# Altium PCB DRS4-PCB.PcbDoc (part 5 of 15)
Units mil, origin at the board's own origin, x right, y up, seen from the top; angles counter-clockwise.
Board outline 12350 x 7411.06 mil, 12 copper layers (Top Layer, Ground Layer 2, Signal Layer 3, Signal Layer 4, Ground Layer 5, Power Layer 6, Ground Layer 7, Ground Layer 8, Power Layer 9, Power Layer 10, Ground Layer 11, Bottom Layer), stack 61.6 mil thick; 1264 components, 1069 nets, 3958 pads, 2329 vias.
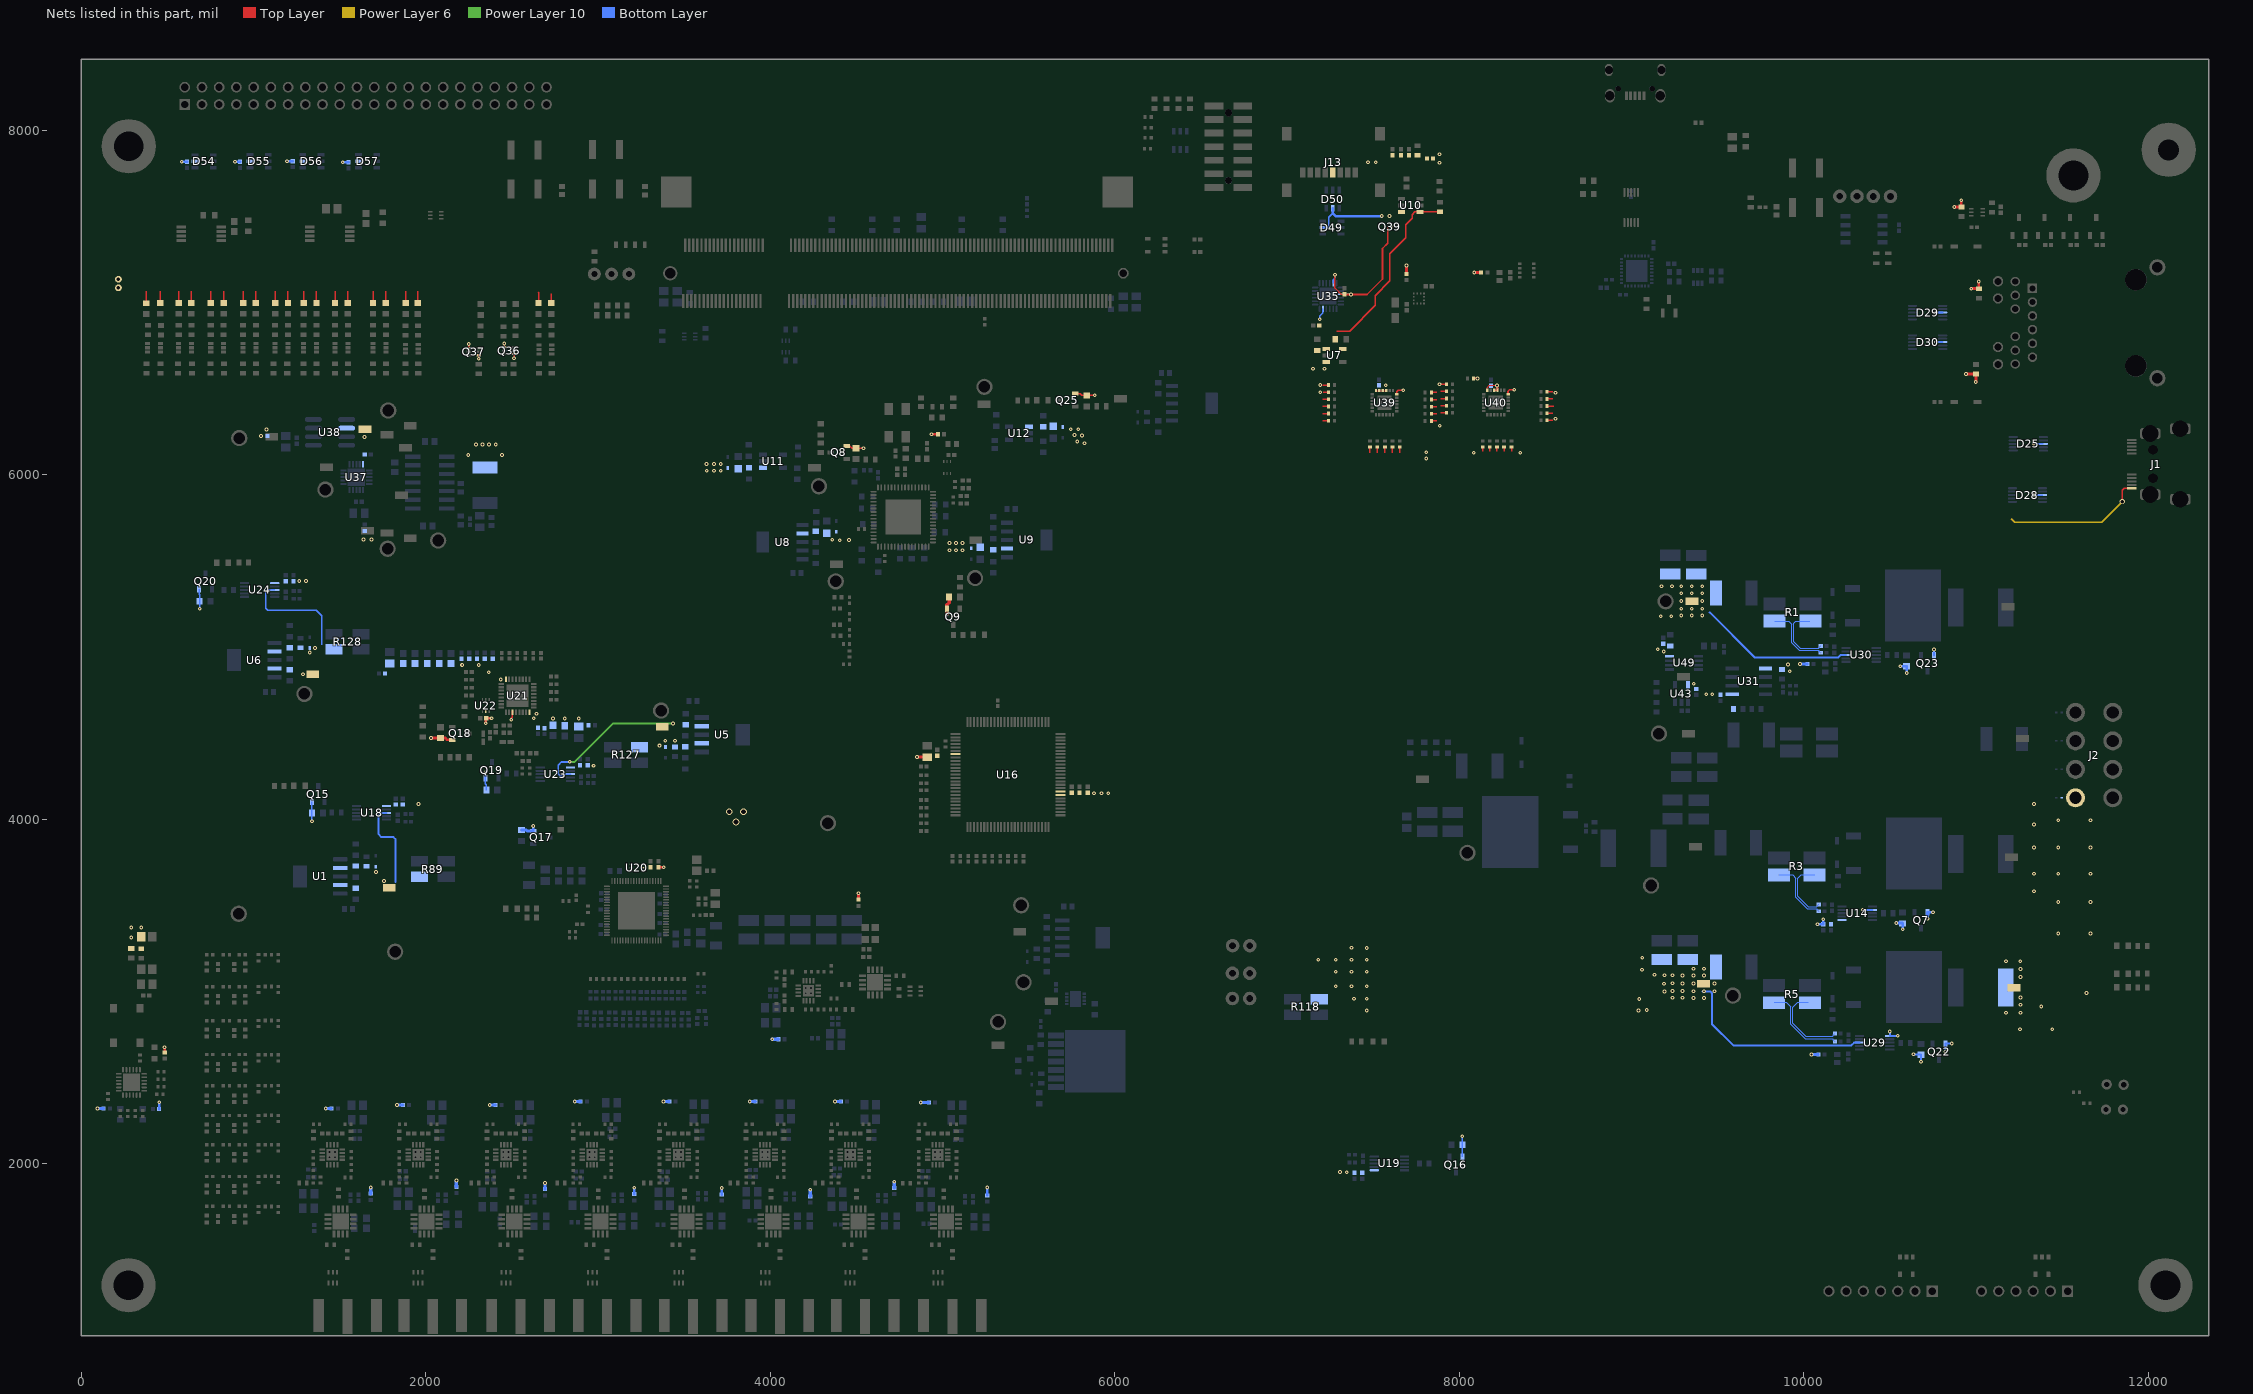
[diagram p15: the nets of this part, all layers, seen from the top]

## Footprints (in the part's own frame and the unit in brackets; to place one, negate y for a bottom-side part, rotate by r counter-clockwise, add the part's x,y. Pads: shape width x height; smd on the part's side, far side on the other; paste and mask are expansions set on the pad) (continued)
TAYO-FBMH4532-2_V [mm] "SMD, 2-Leads, Body 4.9x3.5mm, Height 3.5mm"
  rect 1.75x3.7 smd: 1(-2.625,0) 2(2.625,0)
  silkscreen extent -4.18,-1.75 1.35,1.75, body extent -2.45,-1.75 2.45,1.75, height 3.5
TCXO_Murata_XTCLH50M000CHJA3P0_50MHz [mm] "TCXO Oscillators 50MHz 5x3.2x1.5mm 0.28ppm max Crystal"
  rect 1.75x1.25 smd: 1(-2,-1.23) 4(2.1,-1.23) 5(2.1,1.23) 8(-2,1.23)
  silkscreen extent -3.03,-2.52 -2.82,-2.31, body extent -2.75,-1.9 2.85,1.9, height 0.45
TDK_MHQ1005PR51GT000_0 [mm]
  rect 0.5x0.5 smd paste+0 mask+0: 1(-0.45,0) 2(0.45,0)
  silkscreen extent 0,-0.4 0,0.4, body extent -0.5,-0.25 0.5,0.25, height 0.48
TDK_MLF1005GR47JT000_0 [mm]
  rect 0.5x0.5 smd paste+0 mask+0: 1(-0.45,0) 2(0.45,0)
  silkscreen extent 0,-0.4 0,0.4, body extent -0.5,-0.25 0.5,0.25, height 0.48
TDK_MLZ1608M100WT_0 [mm]
  rect 0.6x0.8 smd paste+0 mask+0: 1(-0.7,0) 2(0.7,0)
  silkscreen extent 0,-0.4 0,0.4, body extent -0.8,-0.4 0.8,0.4, height 0.6
Texas_Instruments_3-PICOSTAR_0 [mm]
  rect 0.15x0.25 smd paste+0 mask+0: 1(-0.175,-0.325) 2(0.175,-0.325)
  rect 0.5x0.25 smd paste+0 mask+0: 3(0,0.325)
  silkscreen extent -0.63,-1.12 0.63,0.5, body extent -0.42,-0.62 0.42,0.62, height 0.25
Texas_Instruments_LM321LVIDBVR_MFG [mm]
  rrect17% 1.1x0.6 smd paste+0 mask+0: 1(-1.3,0.95) 2(-1.3,0) 3(-1.3,-0.95) 4(1.3,-0.95) 5(1.3,0.95)
  silkscreen extent -1.41,-1.53 0.87,1.91, body extent -1.4,-1.45 1.4,1.45, height 1.45
TI-DBV5_N [mm] "SOT23, 5-Leads, Body 2.9x1.6mm, Pitch 0.95mm, IPC Medium Density"
  rect 1.1x0.6 smd: 1(-1.2,0.95) 2(-1.2,0) 3(-1.2,-0.95) 4(1.2,-0.95) 5(1.2,0.95)
  silkscreen extent -1.32,-1.55 0.25,1.92, body extent -0.87,-1.52 0.87,1.53, height 1.45
TI-DCQ6_N [mm] "SOT223, 6-Leads, Body 6.5x3.5mm, Pitch 1.27mm, IPC Medium Density"
  rect 2.15x0.7 smd: 1(-3.025,2.54) 2(-3.025,1.27) 3(-3.025,0) 4(-3.025,-1.27) 5(-3.025,-2.54)
  rect 2.15x3.2 smd: 6(3.025,0)
  silkscreen extent -3.15,-3.3 1.65,3.56, body extent -1.78,-3.27 1.78,3.27, height 1.8
TMP112AIDRLR [mm] "Board Mount Temperature Sensors Hi-Prec Lo-Pwr Dig Temp Sensor"
  rrect50% 0.45x0.2 smd: 1(-0.875,0.5) 2(-0.875,0) 3(-0.875,-0.5) 4(0.875,-0.5) 5(0.875,0) 6(0.875,0.5)
  silkscreen extent -1.51,-0.85 0.25,1.43, body extent -0.65,-0.85 0.65,0.85, height 0.6
TP_Harwin_S2761_46R#1 [mm]
  rect 1.9x1.1 smd far side paste+0.1: 1(0,0)
TP_Harwin_S2761_46R#2 [mm]
  rect 1.9x1.1 smd paste+0.1: 1(0,0)
TP_Harwin_S2761_46R#3 [mm]
  rect 1.9x1.1 smd far side paste+0.1: 1(0,-0.504)
TP_Harwin_S2761_46R#4 [mm]
  rect 1.9x1.1 smd far side paste+0.1: 1(2.75,0)
TP_Harwin_S2761_46R#5 [mm]
  rect 1.9x1.1 smd far side paste+0.1: 1(0.477,0)
TP_Harwin_S2761_46R#6 [mm]
  rect 1.9x1.1 smd far side paste+0.1: 1(0,-0.555)
TP_Harwin_S2761_46R#7 [mm]
  rect 1.9x1.1 smd far side paste+0.1: 1(-0.44,0)
TP_Harwin_S2761_46R#8 [mm]
  rect 1.9x1.1 smd far side paste+0.1: 1(0,1.028)
TP_Harwin_S2761_46R#9 [mm]
  rect 1.9x1.1 smd paste+0.1: 1(0.26,0)
TP_Harwin_S2761_46R#10 [mm]
  rect 1.9x1.1 smd paste+0.1: 1(-3.101,3.265)
TP_Harwin_S2761_46R#11 [mm]
  rect 1.9x1.1 smd far side paste+0.1: 1(0,10.612)
TP_Harwin_S2761_46R#12 [mm]
  rect 1.9x1.1 smd far side paste+0.1: 1(-17.502,-14.578)
TP_Harwin_S2761_46R#13 [mm]
  rect 1.9x1.1 smd far side paste+0.1: 1(0,-0.116)
TP_Harwin_S2761_46R#14 [mm]
  rect 1.9x1.1 smd far side paste+0.1: 1(2.663,3.384)
TP_Harwin_S2761_46R#15 [mm]
  rect 1.9x1.1 smd far side paste+0.1: 1(0.032,0.901)
TP_Harwin_S2761_46R#16 [mm]
  rect 1.9x1.1 smd paste+0.1: 1(-11.512,-15.107)
TP_Keystone_Electronics_5006 [mm]
  round 2.4 hole 1.7: 1(0,0)
  body extent -1.59,-1.59 1.59,1.58, height 5.52
TP_TE_Connectivity_5-146280-1_1POS#1 [mil]
  round 60 hole 30: 1(-4.11,10.59)
TP_TE_Connectivity_5-146280-1_1POS#2 [mil]
  round 60 hole 30: 1(1.1,0)
TP_TE_Connectivity_5-146280-1_1POS#3 [mil]
  round 60 hole 30: 1(-3.5,0)
TP_TE_Connectivity_5-146280-1_1POS#4 [mil]
  round 60 hole 30: 1(0,-0.39)
TRANS_EM6_ROM [mil]
  rect 26x9 smd paste+0 mask+0: 1(-32.5,19.68) 2(-32.5,0) 3(-32.5,-19.68) 4(32.5,-19.68) 5(32.5,0) 6(32.5,19.68)
  silkscreen extent -63,-37 15,38, body extent -34,-31 34,31, height 22
VISH-TR8-M_L [mm] "Molded Capacitor, 2-Leads, Body 1.8x1.05mm, IPC High Density"
  rect 0.95x0.55 smd: 1(-0.575,0) 2(0.575,0)
  silkscreen extent -1.32,-0.28 -1.32,0.33, body extent -1.12,-0.53 1.12,0.53, height 0.9
Wurth_Electronics_629105150521_MFG [mm]
  rect 0.45x1.3 smd paste+0 mask+0: 1(-1.3,2.9) 2(-0.65,2.9) 3(0,2.9) 4(0.65,2.9) 5(1.3,2.9)
  rrect100% 1.45x2 hole 1.4 slot 0.85 at 0 deg paste-1000 mask+0: 6(-3.725,2.9) 7(3.725,2.9)
  rrect100% 1.15x1.8 hole 1.2 slot 0.55 at 0 deg paste-1000 mask+0: 8(-3.875,-0.9) 9(3.875,-0.9)
  round 0.8 hole 0.8 unplated paste-1000 mask+0: ""(-2.5,1.85) ""(2.5,1.85)
  silkscreen extent -4.1,0.38 4.1,4.27, body extent -4.55,-3.5 4.55,4, height 0.25
XTAL_ASDM1-25.000MHZ-LC-T [mm]
  rect 1.2x1 smd: 1(-2.54,-1.95) 2(2.54,-1.95) 3(2.54,1.95) 4(-2.54,1.95)
  silkscreen extent -3.7,-3.09 3.7,3, body extent -3.3,-2.6 3.3,2.6, height 2

## Part data
C1 C2 C3 C4 C5 C6 C29 C30 C52 C53 C145 C146 C147 C148 C149: "Tantalum Capacitors - Polymer SMD 25V 22uF 1311 20% ESR=100mOhms", Capacitance="22uF 25V 1411", Supplier Part Number 1=80-T521B226M25ATE100, Supplier 1=Mouser
C7 C9 C10 C11 C12 C14 C15 C16 C17 C18 C19 C21 C23 C24 C25 C27 C28 C31 C32 C33 C35 C36 C38 C42 C43 C44 C45 C47 C49 C50 C51 C54 C56 C65 C76 C244: "CAP CER 4.7uF 35V X5R 0603", Capacitance="4.7uF X5R 35V 0603", Supplier Part Number 1=81-ZRB18AR6YA475ME5L, Supplier 1=Mouser
C8 C13 C22 C26 C34 C37 C39 C46 C48 C57 C61 C62 C94 C95 C242 C251 C253 C258 C262 C327: "CAP CER 10nF 50V X7R 0603", Capacitance="10nF X7R 50V 0603", Digikey Part Number=399-1092-1-ND, Manufacturer=Kemet, Mfg Package Ident=C0603, Mouser Part Number=80-C0603C103J5R, Part Number=C0603C103J5RACTU, Temperature="-55°C to +125°C", Temperature Range High=+125°C, Temperature Range Low=-55°C, Voltage=50V, ComponentLink1Description=Upverter, ComponentLink1URL=https://upverter.com/upn/revision/8a8d0c297e33ac74/, ComponentLink2Description=Datasheet, ComponentLink2URL=https://content.kemet.com/datasheets/KEM_C1002_X7R_SMD.pdf, Digikey Description="CAP CER 10000PF 50V X7R 0603", helpURL=https://upverter.com/upn/revision/8a8d0c297e33ac74/, Lead Free=yes, Package=C0603, Price=0.0184203126773, RoHS=TRUE, Supplier 1=Digi-Key, Supplier 2=Mouser, Supplier Part Number 1=399-1092-1-ND, Supplier Part Number 2=80-C0603C103J5R
C20 C40 C41 C55 C58 C59 C60 C86 C87 C88 C89 C90 C91 C93 C102 C109 C110 C111 C112 C113 C115 C116 C117 C118 C119 C121 C122 C126 C128 C129 C131 C132 C133 C134 C139 C140 C141 C142 C143 C151 C152 C153 C154 C155 C162 C163 C165 C166 C168 C170 C171 C172 C173 C174 C175 C177 C179 C185 C186 C187 C188 C189 C192A C192B C192C C192D C192E C192F C192G C192H C194A C194B C194C C194D C194E C194F C194G C194H C196A C196B C196C C196D C196E C196F C196G C196H C197A C197B C197C C197D C197E C197F C197G C197H C198A C198B C198C C198D C198E C198F C198G C198H C199A C199B C199C C199D C199E C199F C199G C199H C202A C202B C202C C202D C202E C202F C202G C202H C205A C205B C205C C205D C205E C205F C205G C205H C212A C212B C212C C212D C212E C212F C212G C212H C213 C215 C217 C218 C219 C220 C223 C226 C233 C238 C239 C240 C241 C245 C247 C248 C249 C250 C252 C254 C255 C256 C257 C259 C261 C264 C265 C266 C268 C269 C270 C276 C315 C316 C317 C318 C322 C324 C325 C328 C329 C330: "CAP CER 100nF 25V X7R 0402", Capacitance="100nF 25V X7R 0402", Supplier Part Number 1=963-TMK105B7104KV-FR, Supplier 1=Mouser
C63 C64 C66 C70 C74 C75 C77 C81 C114 C127 C144 C150 C176 C184 C200A C200B C200C C200D C200E C200F C200G C200H C201A C201B C201C C201D C201E C201F C201G C201H C203A C203B C203C C203D C203E C203F C203G C203H C204A C204B C204C C204D C204E C204F C204G C204H C221 C222 C224 C225 C243 C275 C321 C323 C326 C342: "CAP CER 10uF 25V X7R 0805", Capacitance="10uF X7S 25V 0805", Supplier Part Number 1=81-GRM21BC71E106ME1L, Supplier 1=Mouser
C67 C68 C69 C71 C72 C73 C78 C79 C80 C82 C83 C84 C96 C97 C98 C99 C100 C101 C103 C104 C105 C106 C107 C108 C124 C267 C272 C273 C274 C319 C333 C334 C338: "CAP CER 1uF 25V X7R 0603", Capacitance="1uF X7R 25V 0603", Supplier Part Number 1=81-GCJ188R71E105KA1J, Supplier 1=Mouser
C85 C130 C159 C160 C161: "Multilayer Ceramic Capacitors MLCC - SMD/SMT 0402 20pF 50Volts C0G 2%", Capacitance="20pF 50V 0402", Supplier Part Number 1=81-GJM1555C1H200GB01, Supplier 1=Mouser
C92: "MLCC - SMD/SMT 0402 50VDC 12pF 1% AEC-Q200", Capacitance="12pF C0G 50V 0402", Manufacturer 1=Murata, Manufacturer Part Number 1=GCQ1555C1H120FB01D, Supplier Part Number 1=81-GCQ1555C1H120FB1D, Supplier 1=Mouser
C120: library part CMP-03020-007524-1, "CAP CER 5600PF 50V X7R 0402 / C0402C562K5RACTU", Capacitance="5,600 pF", Manufacturer=Kemet, Manufacturer Part Number=C0402C562K5RACTU, Package=C0402-BB, Temperature="-55°C to +125°C", Temperature Characteristic=X7R, Temperature Coefficient=15%, Temperature Range High=+125°C, Temperature Range Low=-55°C, Tolerance=0.1, Voltage Rating="50 V", Automotive=No, Category=Cap, ComponentLink2Description=Datasheet, ComponentLink2URL=https://content.kemet.com/datasheets/KEM_C1002_X7R_SMD.pdf, Device Class L1="Passive Components", Device Class L2=Capacitors, Device Class L3="Ceramic Capacitors", Digikey Description="CAP CER 5600PF 50V X7R 0402", Height=0.55mm, Ipc Land Pattern Name=CAPC10050X50, Lead Free=Yes, Material=Ceramic, Mouser Description="Multilayer Ceramic Capacitors MLCC - SMD/SMT 50volts 5600pF X7R 10%", Octopart=https://octopart.com/c0402c562k5ractu-kemet-98458, RoHS=TRUE
C123 C277 C278: "CAP CER 22uF 25V X5R 0805", Capacitance="22uF X5R 25V 0805", Supplier Part Number 1=81-GRT21BR61E226ME3L, Supplier 1=Mouser
C125 C271: library part CMP-1035-02189-1, "CAP 4.7nF 10V ±10% 0603 (1608 Metric) Thickness 1mm SMD", Case-EIA=0603, Case-Metric=1608, Rated Voltage="10 V", Tolerance=Â±10%, Max Thickness="1 mm", Technology=SMT
C135 C156: "CAP CER 100uF 25V X5R 1206", Capacitance="100uF X5R 10V 1206", Supplier Part Number 1=81-GRM31CR61A107ME5L, Supplier 1=Mouser
C136 C137 C138 C157 C158: "CAP CER 100pF 50V X7R 0603", Capacitance="100pF X7R 50V 0603", Supplier Part Number 1=80-C0603C101J5R, Supplier 1=Mouser
C164 C167: library part CMP-2000-07316-1, "Tantalum Capacitor, 10 uF, +/- 20%, 10 V, -55 to 125 degC, 2-Pin SMD (M), RoHS, Tape and Reel", Capacitance=10µF, ESR (Equivalent Series Resistance)=2Ohm, Lifetime @ Temp.=-, Manufacturer=Vishay, Manufacturer Part Number=TR8M106M010C2000, Manufacturer Size Code=M, Operating Temperature=-55°C~125°C, Package / Case=0603(1608Metric), Package Description="2-Pin Surface Mount Device, Body 1.6 x 0.85 mm", Package Reference=TR8-M, Standard Package=1, Tolerance=±20%, Voltage - Rated=10V, Catalog Drawings=TR8SeriesTR8SeriesBottom, Category=Capacitors, Datasheet URL=http://www.vishay.com/docs/40114/tr8.pdf, Datasheet Version=03/2016, Family=TantalumCapacitors, Featured Product=TR8SeriesMoldedMicroTan™TantalumChipCapacitors, Features=GeneralPurpose, Height - Seated (Max)="0.035\"(0.89mm)", Lead Spacing=-, Manufacturer URL=http://www.vishay.com/, Mounting Technology=SurfaceMount, Mounting Type=SurfaceMount, Online Catalog=MICROTAN®TR8Series, Other Names=718-1673-6, Packaging=Digi-Reel®, Series=MICROTAN®TR8, Size / Dimension="0.063\"Lx0.033\"W(1.60mmx0.85mm)", Type=Molded
C178 C180 C181 C182 C183 C190 C191: "CAP CER 1nF 50V X7R 0603", Capacitance="1nF X7R 50V 0603", Supplier Part Number 1=80-C0603C102J5RAUTO, Supplier 1=Mouser
C193A C193B C193C C193D C193E C193F C193G C193H C195A C195B C195C C195D C195E C195F C195G C195H C214 C216: "CAP CER 470nF 25V X7R 0603", Capacitance="470nF X7R 25V 0603", Supplier Part Number 1=710-885012206075, Supplier 1=Mouser
C206A C206B C206C C206D C206E C206F C206G C206H C207A C207B C207C C207D C207E C207F C207G C207H C208A C208B C208C C208D C208E C208F C208G C208H C209A C209B C209C C209D C209E C209F C209G C209H C210A C210B C210C C210D C210E C210F C210G C210H C211A C211B C211C C211D C211E C211F C211G C211H C227 C228 C229 C230 C231 C232: "CAP CER 220nF 50V X7R 0402", Capacitance="220nF X7R 25V 0402", Supplier Part Number 1=810-C1005X7R1E224KBE, Supplier 1=Mouser
C234 C235 C279 C282 C283 C286 C287 C290 C291 C294 C295 C298 C299 C302 C303 C306 C307 C310 C311 C314: "CAP 150pF 50V C0G ±1% 0402 (1000 Metric) Thickness 1mm SMD", Capacitance="150pF 50V C0G 0402", Supplier Part Number 1=810-CGA2B2C0G2A151J0, Supplier 1=Mouser
C236 C237 C280 C281 C284 C285 C288 C289 C292 C293 C296 C297 C300 C301 C304 C305 C308 C309 C312 C313: "CAP 270pF 50V C0G ±1% 0402", Capacitance="270pF 50V C0G 0402", Supplier Part Number 1=81-GCM1555C1H271FA6D, Supplier 1=Mouser
C246: library part CMP-1035-02763-1, "CAP 2.2uF 16V ±10% 0603 (1608 Metric) Thickness 1mm SMD", Capacitance="2.2uF 16V X5R 0603", Case-EIA=0603, Case-Metric=1608, Rated Voltage="16 V", Tolerance=Â±10%, Max Thickness="1 mm", Technology=SMT
C260: library part CMP-2000-07186-1, "Tantalun Capacitor, 1 uF, +/- 10%, 16 V, -55 to 125 degC, 2-Pin SMD, RoHS, Tape and Reel", Capacitance=1.0µF, ESR (Equivalent Series Resistance)=10Ohm, Lifetime @ Temp.=2000Hrs@85°C, Manufacturer=Kemet, Manufacturer Size Code=A, Operating Temperature=-55°C~125°C, Package / Case=1206(3216Metric), Package Description="2-Pin Surface Mounted Device, Body 3.2 x 1.6 mm", Package Reference=1206, Standard Package=1, Tolerance=±10%, Voltage - Rated=16V, Catalog Drawings=T49x,T5xxSeries_A-side1T49x,T5xxSeries_A,B-side2T49x,T5xxSeries_A,SBottom, Category=Capacitors, Datasheet URL=http://capacitoredge.kemet.com/capedge2/DataSheet/Datasheet-T491A105K016AT.pdf?pn=T491A105K016AT, Datasheet Version=06/2016, EDA / CAD Models=DownloadfromAcceleratedDesigns, Family=TantalumCapacitors, Features=GeneralPurpose, Height - Seated (Max)="0.071\"(1.80mm)", Lead Spacing=-, Manufacturer URL=http://www.kemet.com/, Mounting Technology=SurfaceMount, Mounting Type=SurfaceMount, Online Catalog=T491Series, Other Names=399-3678-6, Packaging=Digi-Reel®, Product Training Modules=CapacitorBasics-TypicalUsesforCapacitorsDeratingGuidelinesforSurfaceMountTantalumCapacitors, Series=T491, Size / Dimension="0.126\"Lx0.063\"W(3.20mmx1.60mm)", Type=Molded
C339 C341: "CAP CER 100nF 50V X7R 0603", Capacitance="100nF X7R 50V 0603", Supplier Part Number 1=80-C0603C104M5RAUTO, Supplier 1=Mouser
D1 D2 D3 D4: "Transient Voltage Suppressor, Micro-Packaged Diode for ESD Protection, 2-Pin SOD-923, Pb-Free, Tape and Reel", Manufacturer="On Semiconductor", Supplier Part Number 1=863-ESD9B5.0ST5G, ComponentLink1Description="Manufacturer URL", ComponentLink1URL=http://www.onsemi.com/, ComponentLink2Description=Datasheet, ComponentLink2URL=http://www.onsemi.cn/pub_link/Collateral/ESD9B-D.PDF, ComponentLink3Description="Package Specification", ComponentLink3URL=http://www.onsemi.com/pub_link/Collateral/514AB.PDF, DatasheetVersion="Rev. 2", Direction=Bidirectional, IR Max (uA)=1, Mounting Technology="Surface Mount", Number of Lines=1, PackageDescription="2-Pin SOD, Body 0.8 x 0.6 mm", PackageReference=SOD-923-2-514AB-01, PackageVersion="Rev. C, 03/2011", Packing="Tape and Reel", PartNumber=ESD9B5.0ST5G, RoHS=Pb-Free, Supplier 1=Mouser, V(BR) Min (V)=5.8, VRWM Max (V)=5
D5 D6 D7 D19 D31 D32: "Zener Diodes 500mW 4.3V Zener AEC-Q101 Qualified", Supplier Part Number 1=621-BZT52C4V3-F, Built_By=EMA_UL_Team, C="Copyright (C) 2015 Accelerated Designs. All rights reserved", Manufacturer_Part_Number=BZT52C4V3-7-F, RefDes=RefDes, Series=BZT52C4V3-7-F, Supplier 1=Mouser, Type=DEV, Vendor="Diodes Inc"
D8 D9 D10 D11 D12 D14 D15 D17 D18 D21: "Diodes - General Purpose, Power, Switching SINGLE JUNC. 75V 4.0NS COMP", Supplier Part Number 1=512-1N4148WT, Series=1N4148, Supplier 1=Mouser
D20 D22: "Standard LEDs - SMD Green 470nm 28mcd 20mA", Supplier Part Number 1=859-LTSTC193KGKT5A, Series=LTST-C193KGKT-5A, Supplier 1=Mouser
D23 D26 D27 D33 D34 D35 D36 D37 D38 D45 D46 D48: library part Led_Lite-On_LTST-C193KGKT-5A_Red, "Standard LEDs - SMD Red 470nm 28mcd 20mA", Supplier Part Number 1=859-LTSTC193KRKT5A, Series=LTST-C193KRKT-5A, Supplier 1=Mouser
D24 D49 D50 D54 D55 D56 D57: "ESD Suppressors / TVS Diodes 5.5V QUAD R-R ESD ULTRA LOW CAP", Supplier Part Number 1=771-PRTR5V0U4D-T/R, Supplier 1=Mouser
D25 D28 D29 D30 D41: "ESD Suppressors / TVS Diodes 4 Ch 8kV 0.65pF SPA", Supplier Part Number 1=576-SP3003-04ATG, Series=SP3003-04ATG, Supplier 1=Mouser
D39A D39B D39C D39D D39E D39F D39G D39H D40: library part CMP-1176-00030-1, "Silicon Switching Diode, SOT363, Reel, Green", Manufacturer=Infineon, ComponentLink1Description="Manufacturer URL", ComponentLink1URL=http://www.infineon.com/, ComponentLink2Description=Datasheet, ComponentLink2URL=http://www.infineon.com/dgdl/bav99series.pdf?folderId=db3a30431400ef6801141b5844e103ea&fileId=db3a30431400ef6801141c1b237d042f, ComponentLink3Description="Package Specification", ComponentLink3URL=http://www.infineon.com/dgdl/SOT363-Package_Overview.pdf?folderId=db3a30431936bc4b01195360bd8f3cdc&fileId=db3a30431936bc4b0119536b62bf3cf5, Configuration=Quadruple, Green=TRUE, Halogen-free=TRUE, IF (max)="200Â mA", IR (max)="150Â nA", Mounting Technology="Surface Mount", PackageDescription="6-Pin Small Outline Transistor Package, 1.25 x 2 mm Body", PackageReference=SOT363, PartNumber=BAV99S, trr (max)="4Â ns", VBR (min)="85Â V", VF (max)="1.25Â V", VR (max)="80Â V"
D42: "ESD Suppressors / TVS Diodes SO-8 5V 500W Low Capacitance", Supplier Part Number 1=652-CDNBS08-SRDA05-4, Supplier 1=Mouser
D43 D44 D59 D60 D61 D62 D63 D64 D65 D66 D67 D68 D69 D70 D71 D72 D73 D74 D75 D76 D77 D78 D79 D80 D81: "Standard LEDs - SMD Blue 470nm 28mcd 20mA", Supplier Part Number 1=859-LTSTC193TBKT5A, Series=LTST-C193TBKT-5A, Supplier 1=Mouser
F1 F2 F3 F5: library part 0ZCF0300BF2C, "Resettable Fuses - PPTC 3A 24V PPTC 2920 SMD", Supplier Part Number 1=530-0ZCF0300BF2C, Supplier 1=Mouser, Supplier 2=Digi-Key, Supplier Part Number 2=507-2072-6-ND
  F1 F3 F5: Series=0ZCF0300BF2C
F4: library part 0ZCG0200AF2B, "2A hold, 3.5A trip", Supplier Part Number 1=530-0ZCG0200AF2B, Series=0ZCG0200AF2B, Supplier 1=Mouser, Supplier 2=Digi-Key, Supplier Part Number 2=507-2074-6-ND
FB1 FB2 FB3 FB4 FB5 FB29: "Chip Bead Inductor for Power Lines, 680 Ohm, 4 A, -40 to 125 degC, 2-Pin 4.5 x 3.2 x 3.5 mm SMD, RoHS, Taping", DC Resistance="0.028 Ohm Max.", Impedance Tolerance="+/- 25%", Manufacturer="Taiyo Yuden", Measuring Frequency="100 MHz", Rated Current="4 A Max.", Supplier Part Number 1=587-1761-6-ND, Temperature Range="-40 to 125 degC", ComponentLink1Description="Manufacturer URL", ComponentLink1URL=http://www.t-yuden.com/, ComponentLink2Description=Datasheet, ComponentLink2URL=http://www.yuden.co.jp/productdata/catalog/en/chipbeads01_e.pdf, ComponentLink3Description="Package Specification", ComponentLink3URL=http://www.yuden.co.jp/productdata/catalog/en/chipbeads01_e.pdf, DatasheetVersion=09/2014, Mounting Technology="Surface Mount", Nominal Impedance="680 Ohm", PackageDescription="2-Pin Surface Mount Device, Body 4.5 x 3.2 mm, Height 3.5 mm", Packing=Taping, PartNumber=FBMH4532HM681-T, RoHS=TRUE, Supplier 1=Digi-Key
FB6 FB7: library part Feb_MURATA_BLM15AX300SZ1D_30, "Feb SMD 30 OHM 25% 3/4W 0402", Supplier Part Number 1=81-BLM15AX300SZ1D, Supplier 1=Mouser
FB8 FB9 FB10A FB10B FB10C FB10D FB10E FB10F FB10G FB10H FB11A FB11B FB11C FB11D FB11E FB11F FB11G FB11H FB12A FB12B FB12C FB12D FB12E FB12F FB12G FB12H FB13 FB14 FB15 FB17 FB18 FB20 FB21 FB22 FB24 FB25 FB26 FB27 FB28: library part FB_Wurth_Electronics_742792731_100Ohms, "FB SMD 100 OHM 25% 1.2A 0402", DC Resistance=90mOhm, Measuring Frequency=100MHz, Supplier Part Number 1=710-742792731, Impedance="100 Ohm", Supplier 1=Mouser
FB16 FB23: "FB SMD 1000 OHM 25% 3/4W 0402", Supplier Part Number 1=81-BLM15AX102SZ1D, Supplier 1=Mouser
J1: "Connector", Manufacturer_Name=HARTING, Mouser Part Number=617-09452819001, Arrow Part Number=09452819001, Arrow Price/Stock=https://www.arrow.com/en/products/09452819001/harting, Datasheet Link=https://b2b.harting.com/files/download/PRD/PDF_TS/09452819001_100805966DRW000C.pdf?siteName=Ebusiness+Site&autoLogoutEnabled=true&autoLogoutTime=1800&showPrivacyEmailAgreement=false&contextURL=https%3A%2F%2Fb2b.harting.com%2Febusiness%2Fen_us, Manufacturer_Part_Number=09452819001, Mouser Price/Stock=https://www.mouser.co.uk/ProductDetail/HARTING/09452819001?qs=T3oQrply3y%2Fl7UBgasft0g%3D%3D
J2: "Headers & Wire Housings RA HDR W/O PEGS 8P", Supplier Part Number 1=571-15860418, Series=1586041-8, Supplier 1=Mouser
J3: "Headers & Wire Housings UNSHRD VERT SNGL 3", Supplier Part Number 1=571-872243, Supplier 1=Mouser
J4: "DIMM Connectors DDR2 SODIMM 200P STANDARD HOUSING", Supplier Part Number 1=571-1473005-4, Series=1473005-4, Supplier 1=Mouser
J5: "Headers & Wire Housings 14P SMD PB FREE SHRD", Supplier Part Number 1=538-87832-1420, Series=87832-1420, Supplier 1=Mouser
J6 J7 J8 J10 J11: "Headers & Wire Housings 2P SINGLE ROW 5A", Supplier Part Number 1=571-826936-2, Series=826936-2, Supplier 1=Mouser
J9A J9B J9C J9D J9E J9F J9G J9H: library part Conn_Amphenol_132289_eec, "CONN SMA JACK 50 OHM EDGE MNT", Digikey Part Number=ACX1426-ND, Manufacturer=Amphenol, Mouser Part Number=523-132289, Package=CONN_SMA_9MM52_7M92, Part Number=132289, Temperature="-65°C to +165°C", Temperature Range High=+165°C, Temperature Range Low=-65°C, ComponentLink1Description=Upverter, ComponentLink1URL=https://upverter.com/upn/revision/b04227f5d74ab481/, ComponentLink2Description=Datasheet, ComponentLink2URL=http://www.amphenolrf.com/downloads/dl/file/id/2775/product/2917/132289_customer_drawing.pdf, Digikey Description="CONN SMA JACK 50 OHM EDGE MNT", helpURL=https://upverter.com/upn/revision/b04227f5d74ab481/, Lead Free=yes, Price=4.87219999201, RoHS=TRUE, Supplier 1=Digi-Key, Supplier 2=Mouser, Supplier Part Number 1=ACX1426-ND, Supplier Part Number 2=523-132289
J12: library part 629105150521, "USB Connectors WR-COM USB Micro SMT Type B Horiztl", Manufacturer 1=Wurth, Manufacturer Part Number 1=629105150521
J13: "CONN MICRO SD CARD HINGED TYPE", Digikey Part Number=WM6698CT-ND, Manufacturer=Molex, Mouser Part Number=538-47219-2001, Package=SMT_SDCARD_14MM5_13MM6, Part Number=47219-2001, Temperature="-20°C to +85°C", Temperature Range High=+85°C, Temperature Range Low=-20°C, ComponentLink1Description=Upverter, ComponentLink1URL=https://upverter.com/upn/revision/cf639670a30b6b80/, ComponentLink2Description=Datasheet, ComponentLink2URL=http://www.molex.com/pdm_docs/sd/472192001_sd.pdf, Digikey Description="CONN MICRO SD CARD HINGED TYPE", helpURL=https://upverter.com/upn/revision/cf639670a30b6b80/, Is Female=yes, Lead Free=yes, RoHS=TRUE, Supplier 1=Digi-Key, Supplier 2=Mouser, Supplier Part Number 1=WM6698CT-ND, Supplier Part Number 2=538-47219-2001
J14: "Connector", Manufacturer_Name=Molex, Mouser2 Part Number=538-10-89-7442, Datasheet Link=https://componentsearchengine.com//10-89-7442.pdf, Height=8.64mm, Manufacturer_Part_Number=10-89-7442, Mouser2 Price/Stock=https://www.mouser.com/Search/Refine.aspx?Keyword=538-10-89-7442
J15: "Headers & Wire Housings 2 WAY SIL VERT PC TAIL P/HDR", Supplier Part Number 1=855-M50-3530242, Supplier 1=Mouser
J16: "Connector", Manufacturer_Name="Wurth Elektronik", Mouser2 Part Number=710-61300611121, Datasheet Link=https://componentsearchengine.com//61300611121.pdf, Height=8.69mm, Manufacturer_Part_Number=61300611121, Mouser2 Price/Stock=https://www.mouser.com/Search/Refine.aspx?Keyword=710-61300611121
J17: "Connector", Manufacturer_Name="Wurth Elektronik", Mouser2 Part Number=710-61300711121, Datasheet Link=https://componentsearchengine.com//61300711121.pdf, Height=8.69mm, Manufacturer_Part_Number=61300711121, Mouser2 Price/Stock=https://www.mouser.com/Search/Refine.aspx?Keyword=710-61300711121
L1 L9: library part Ind_TDK_MLZ1608M100WT_eec, "IND 10µH Shielded Multilayer Inductor 250mA 1.365 Ohm Max 0603 (1608 Metric)", Current Rating=250mA, DC Resistance (DCR)="1.365 Ohm Max", Digikey Part Number=445-6389-1-ND, Inductance=10.0µH, Manufacturer=TDK, Mouser Part Number=810-MLZ1608M100WT000, Package="0603 (1608 metric)", Part Number=MLZ1608M100WT, Temperature="-55°C to +125°C", Temperature Range High=+125°C, Temperature Range Low=-55°C, Tolerance=±20%, ComponentLink1Description=Upverter, ComponentLink1URL=https://upverter.com/upn/revision/22fa022ced0eb0ec/, ComponentLink2Description=Datasheet, ComponentLink2URL=https://product.tdk.com/info/en/catalog/datasheets/inductor_commercial_decoupling_mlz1608_en.pdf, Digikey Description="IND 10µH Shielded Multilayer Inductor 250mA 1.365 Ohm Max 0603 (1608 Metric)", helpURL=https://upverter.com/upn/revision/22fa022ced0eb0ec/, Ipc Land Pattern Name=CAPC16080X45, Lead Free=yes, RoHS=TRUE, Supplier 1=Digi-Key, Supplier 2=Mouser, Supplier Part Number 1=445-6389-1-ND, Supplier Part Number 2=810-MLZ1608M100WT000
L2A L2B L2C L2D L2E L2F L2G L2H L3A L3B L3C L3D L3E L3F L3G L3H L4 L5: "Fixed Inductors .22 UH 5%", Inductance="220nH 5% 0402", Supplier Part Number 1=810-MLG1005SR22JT000, Supplier 1=Mouser
L6 L8 L10 L12 L13 L15 L16 L18 L19 L21 L22 L24 L25 L27 L28 L30 L31 L33 L34 L36: library part Ind_TDK_MLF1005GR47JT000, "IND 470nH Shielded Multilayer Inductor 50mA 420 mOhm Max 0402 (1005 Metric)", Current Rating=50mA, DC Resistance (DCR)=420mOhms, Inductance=470nH, Manufacturer=TDK, Package="0402 (1005)", Part Number=MLF1005GR47JT000, Supplier Part Number 1=810-MLF1005GR47JT000, Temperature="-55°C to +125°C", Temperature Range High=+125°C, Temperature Range Low=-55°C, Tolerance=±5%, ComponentLink2Description=Datasheet, ComponentLink2URL=https://product.tdk.com/info/en/catalog/datasheets/inductor_commercial_decoupling_mlz1608_en.pdf, Lead Free=yes, RoHS=TRUE, Supplier 1=Mouser
L7 L11 L14 L17 L20 L23 L26 L29 L32 L35: library part Ind_TDK_MHQ1005PR51GT000, "IND 510nH Shielded Multilayer Inductor 70mA 10.2 Ohm Max 0402 (1005 Metric)", Current Rating=70mA, DC Resistance (DCR)=10.2Ohms, Inductance=510nH, Manufacturer=TDK, Package="0402 (1005)", Part Number=MHQ1005PR51GT000, Supplier Part Number 1=810-MHQ1005PR51GT000, Temperature="-55°C to +125°C", Temperature Range High=+125°C, Temperature Range Low=-55°C, Tolerance=±2%, ComponentLink2Description=Datasheet, ComponentLink2URL=https://product.tdk.com/info/en/catalog/datasheets/inductor_commercial_decoupling_mlz1608_en.pdf, Lead Free=yes, RoHS=TRUE, Supplier 1=Mouser
OP1A OP1B OP1C OP1D OP1E OP1F OP1G OP1H OP2: library part THS4509RGTT, "Differential Amplifier 1 Circuit Differential 16-QFN (3x3)", Supplier Part Number 1=595-THS4509RGTT, Built_By=EMA_UL_Team, C="Copyright (C) 2015 Accelerated Designs. All rights reserved", Manufacturer_Part_Number=THS4509RGTT, RefDes=RefDes, Supplier 1=Mouser, Type=DEV, Vendor="Texas Instruments"
OP3: "IC OPAMP GP 4 CIRCUIT 14SOIC", Built_By=EMA_UL_Team, Copyright="Copyright (C) 2018 Accelerated Designs. All rights reserved", Manufacturer_Part_Number=AD8608ARZ-REEL, RefDes=RefDes, SourceLibrary=Analog_2012-01-01_6, Type=DEV, Vendor="Analog Devices Inc"
Q1 Q2 Q3 Q4: "MOSFET Pch -100V Vds -25A 0.05Rds(on) 60Qg", Supplier Part Number 1=755-RSJ250P10FRATL, Series=RSJ250P10FRATL, Supplier 1=Mouser
Q5 Q6 Q11 Q38: "MOSFET Small Signal Dual N-CH 20V .3A .15W", Manufacturer_Part_Number=EM6K6T2R, Vendor="ROHM Semiconductor"
Q7 Q8 Q9 Q15 Q16 Q17 Q18 Q19 Q20 Q22 Q23 Q25: "Bipolar Transistors - BJT Transistor for Low Freq. Amplification", Manufacturer=Toshiba, Manufacturer Part Number 1=TMBT3906,LM, Supplier Part Number 1=757-TMBT3906LM, Series=TMBT3906, Supplier 1=Mouser
Q10 Q12 Q13 Q14: "P-Channel 30V 4A (Ta) 1.4W (Ta) Surface Mount SOT-23-3L", Supplier Part Number 1=785-1001-1-ND, Series=AO3401A, Supplier 1=Digi-key
Q21 Q26 Q27 Q28 Q29 Q30 Q31 Q32 Q33 Q34 Q35: "Bipolar Transistors - BJT NPN+NPN 30VCEO 1A SOT-363T", Manufacturer 1=ROHM, Manufacturer Part Number 1=US6X8TR, Supplier Part Number 1=755-US6X8TR, Series=US6X8TR, Supplier 1=Mouser
Q36 Q37: "Bipolar Transistors - BJT Bipolar Transistor SOT-563 SC-107C EMT6", Manufacturer 1=ROHM, Manufacturer Part Number 1=EMT52T2R, Supplier Part Number 1=755-EMT52T2R, Series=EMT52T2R, Supplier 1=Mouser
Q39: library part Trans_Texas_Instruments_CSD17381F4_eec, "TRANS MOSFET N-CH 30V 3.1A 0402", Digikey Part Number=296-38913-1-ND, Manufacturer="Texas Instruments", Mfg Package Ident=3-PICOSTAR, Mouser Part Number=595-CSD17381F4, Temperature="-55°C to +150°C", Temperature Range High=+150°C, Temperature Range Low=-55°C, ComponentLink1Description=Upverter, ComponentLink1URL=https://upverter.com/upn/revision/4d3d13666fc1af7c/, ComponentLink2Description=Datasheet, ComponentLink2URL=http://www.ti.com/lit/ds/symlink/csd17381f4.pdf, Digikey Description="TRANS MOSFET N-CH 30V 3.1A 0402", helpURL=https://upverter.com/upn/revision/4d3d13666fc1af7c/, Lead Free=yes, Package=3-PICOSTAR, Part Number=CSD17381F4, Price=0.201706379017, RoHS=TRUE, Supplier 1=Digi-Key, Supplier 2=Mouser, Supplier Part Number 1=296-38913-1-ND, Supplier Part Number 2=595-CSD17381F4
R1 R3 R5 R14: "RES 0.039 OHM 1% 1W 2412", Built_By=EMA_UL_Team, Copyright="Copyright (C) 2018 Accelerated Designs. All rights reserved", Manufacturer_Part_Number=LVK24R039FER, RefDes=RefDes, SourceLibrary=Ohmite_2014-12-31, Type=DEV, Vendor=Ohmite
R2 R4 R6 R22 R25 R26 R28 R29 R124 R125: library part CMP-1012-00114-1, "47K 0.1W 5% 0603 (1608 Metric)  SMD", Case-EIA=0603, Case-Metric=1608, Power="0.1 W", Tolerance="5 %", Technology=SMT
R7 R18 R120: library part CMP-1012-00108-1, "27K 0.1W 5% 0603 (1608 Metric)  SMD", Case-EIA=0603, Case-Metric=1608, Power="0.1 W", Tolerance="5 %", Technology=SMT
R8 R9: library part CMP-1012-00107-1, "24K 0.1W 5% 0603 (1608 Metric)  SMD", Case-EIA=0603, Case-Metric=1608, Power="0.1 W", Tolerance="5 %", Technology=SMT
R10 R34 R51 R53 R63 R65 R95 R107 R121 R122 R123 R129 R141 R167 R168 R204 R205 R215 R216 R222 R301 R302 R303 R304 R305 R306 R307 R308 R317 R318 R319 R320 R321 R322 R323 R324 R329 R330 R331 R332 R333 R334 R335: library part CMP-1012-00098-1, "10K 0.1W 5% 0603 (1608 Metric)  SMD", Case-EIA=0603, Case-Metric=1608, Power="0.1 W", Tolerance="5 %", Technology=SMT
R11: "Thick Film Resistors - SMD 2.49K ohm 1% 50V General Purpose", Resistance="2.49k 1% 0402", Supplier Part Number 1=603-RC0402FR-132K49L, Supplier 1=Mouser
R12: library part CMP-1012-00106-1, "22K 0.1W 5% 0603 (1608 Metric)  SMD", Case-EIA=0603, Case-Metric=1608, Power="0.1 W", Tolerance="5 %", Technology=SMT
R13 R16 R19 R20 R37 R38 R39 R40: library part CMP-1012-00655-1, "20K 0.1W 1% 0603 (1608 Metric)  SMD", Case-EIA=0603, Case-Metric=1608, Power="0.1 W", Tolerance="1 %", Technology=SMT
R17: library part CMP-1012-00102-1, "15K 0.1W 5% 0603 (1608 Metric)  SMD", Case-EIA=0603, Case-Metric=1608, Power="0.1 W", Tolerance="5 %", Technology=SMT